# Allegro board meta_module_lay_rev1.brd (continued)
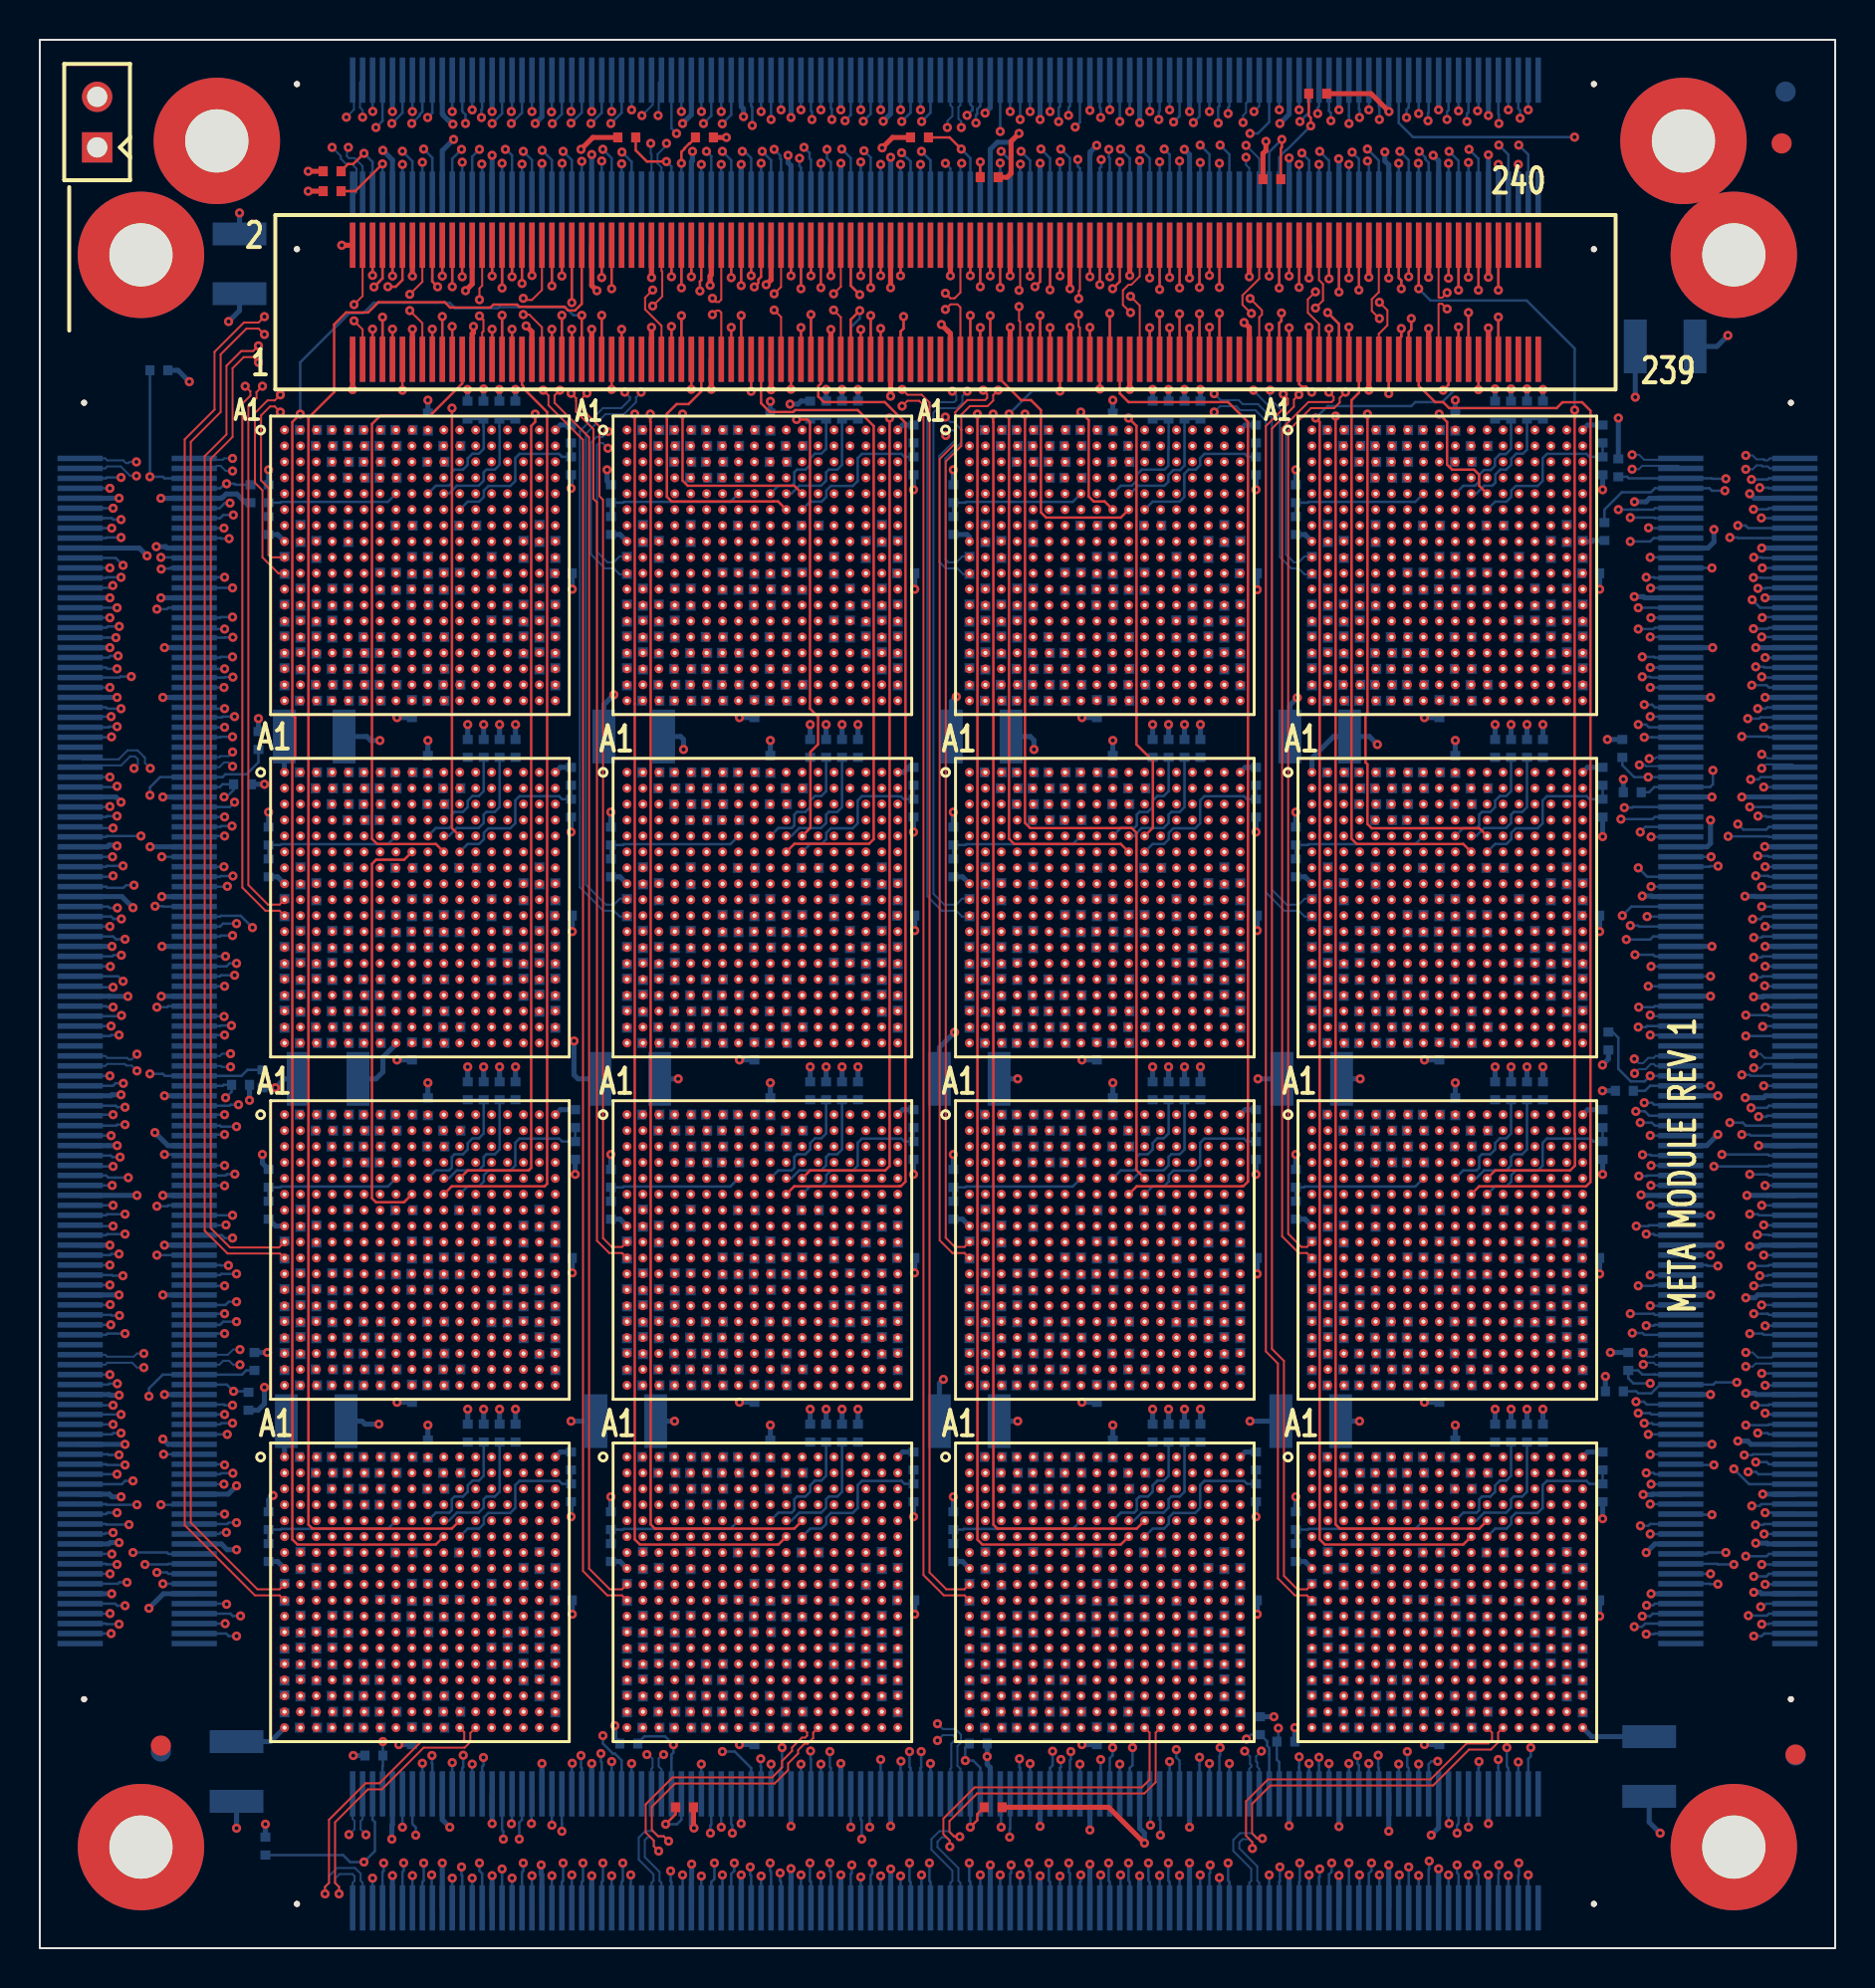
[diagram p0: board, top side]
## Routing (per net, layer and track width the routed paths; a pad name or vN(x,y) marks a point on that pad's centre or on a via; arc(x,y) is an arc through that point) (continued)
NS_DATA_N11_SNOW4-4: length 10.9
  SIGNAL_L5 w0.083: U13.R6 68.29,30.28 68.29,29.69 68.49,29.49 68.89,29.49 69.09,29.29 69.09,28.89 69.29,28.69 72.8,28.69 73.09,28.4 73.09,27.87 73.52,27.44 73.52,26.44 74.29,25.67 U14.A14
NS_DATA_N12: length 10
  SIGNAL_L5 w0.083: U2.V5 32.69,45.11 34.51,43.29 36.07,43.29 37.09,42.27 37.09,41.69 37.29,41.49 37.69,41.49 37.89,41.29 37.89,40.88 38.09,40.68 38.49,40.68 38.69,40.48 38.7,40.48 38.7,39.87 U9.D13
NS_DATA_N12_SNOW4-1: length 9.8
  SIGNAL_L5 w0.083: U1.V5 34.88,60.49 36.07,60.49 37.09,59.47 37.09,58.89 37.29,58.69 37.69,58.69 37.89,58.49 37.89,58.08 38.09,57.88 38.49,57.88 38.69,57.68 38.7,57.68 38.7,57.07 U2.D13
NS_DATA_N12_SNOW4-2: length 10
  SIGNAL_L5 w0.083: U6.D13 73.1,57.07 73.1,57.68 73.09,57.68 72.89,57.88 72.49,57.88 72.29,58.08 72.29,58.49 72.09,58.69 71.69,58.69 71.49,58.89 71.49,59.47 70.47,60.49 68.91,60.49 67.09,62.31 U5.V5
NS_DATA_N12_SNOW4-3: length 10
  SIGNAL_L5 w0.083: U9.V5 32.69,27.91 34.51,26.09 36.07,26.09 37.09,25.07 37.09,24.49 37.29,24.29 37.69,24.29 37.89,24.09 37.89,23.68 38.09,23.48 38.49,23.48 38.69,23.28 38.7,23.28 38.7,22.67 U10.D13
NS_DATA_N12_SNOW4-4: length 10.1
  SIGNAL_L5 w0.083: U13.V5 67.09,27.87 68.87,26.09 70.47,26.09 71.49,25.07 71.49,24.49 71.69,24.29 72.09,24.29 72.29,24.09 72.29,23.68 72.49,23.48 72.89,23.48 73.09,23.28 73.1,23.28 73.1,22.67 U14.D13
NS_DATA_N13: length 10.3
  SIGNAL_L5 w0.083: U2.U6 33.92,45.85 33.92,45.04 34.87,44.09 37.29,44.09 38.69,42.69 38.69,41.69 38.89,41.49 39.29,41.49 39.49,41.29 39.49,40.68 U9.C14
NS_DATA_N13_SNOW4-1: length 10.3
  SIGNAL_L5 w0.083: U1.U6 33.92,63.05 33.92,62.24 34.87,61.29 37.29,61.29 38.69,59.89 38.69,58.89 38.89,58.69 39.29,58.69 39.49,58.49 39.49,57.88 U2.C14
NS_DATA_N13_SNOW4-2: length 10.2
  SIGNAL_L5 w0.083: U6.C14 73.89,57.88 73.89,58.49 73.69,58.69 73.29,58.69 73.09,58.89 73.09,59.89 71.69,61.29 69.47,61.29 68.32,62.44 68.32,63.05 U5.U6
NS_DATA_N13_SNOW4-3: length 10.3
  SIGNAL_L5 w0.083: U10.C14 39.49,23.48 39.49,24.09 39.29,24.29 38.89,24.29 38.69,24.49 38.69,25.49 37.29,26.89 34.87,26.89 33.92,27.84 33.92,28.65 U9.U6
NS_DATA_N13_SNOW4-4: length 10.2
  SIGNAL_L5 w0.083: U13.U6 68.32,28.65 68.32,28.04 69.47,26.89 71.67,26.89 73.09,25.47 73.09,24.49 73.29,24.29 73.69,24.29 73.89,24.09 73.89,23.48 U14.C14
NS_DATA_N14: length 14.1
  SIGNAL_L9 w0.083: U9.B15 40.27,41.5 40.27,42.04 40.68,42.45 40.68,44.68 40.27,45.09 40.27,47.24 40.05,47.46 39.77,47.46 39.49,47.74 39.49,48.02 39.23,48.28 34.95,48.28 34.69,48.02 34.69,47.48 U2.T7
NS_DATA_N14_SNOW4-1: length 14.1
  SIGNAL_L9 w0.083: U1.T7 34.69,64.68 34.69,65.22 34.95,65.48 39.23,65.48 39.49,65.22 39.49,64.94 39.77,64.66 40.05,64.66 40.27,64.44 40.27,62.29 40.68,61.88 40.68,59.65 40.27,59.24 40.27,58.7 U2.B15
NS_DATA_N14_SNOW4-2: length 14.1
  SIGNAL_L9 w0.083: U5.T7 69.09,64.68 69.09,65.22 69.35,65.48 73.63,65.48 73.89,65.22 73.89,64.94 74.17,64.66 74.45,64.66 74.67,64.44 74.67,62.29 75.08,61.88 75.08,59.65 74.67,59.24 74.67,58.7 U6.B15
NS_DATA_N14_SNOW4-3: length 14.1
  SIGNAL_L9 w0.083: U10.B15 40.27,24.3 40.27,24.84 40.68,25.25 40.68,27.48 40.27,27.89 40.27,30.04 40.05,30.26 39.77,30.26 39.49,30.54 39.49,30.82 39.23,31.08 34.95,31.08 34.69,30.82 34.69,30.28 U9.T7
NS_DATA_N14_SNOW4-4: length 14.1
  SIGNAL_L9 w0.083: U13.T7 69.09,30.28 69.09,30.82 69.35,31.08 73.63,31.08 73.89,30.82 73.89,30.54 74.17,30.26 74.45,30.26 74.67,30.04 74.67,27.89 75.08,27.48 75.08,25.25 74.67,24.84 74.67,24.3 U14.B15
NS_DATA_N15: length 11.8
  SIGNAL_L5 w0.083: U9.A16 41.49,44.69 41.08,45.1 41.08,47.21 40.81,47.48 35.49,47.48 U2.R8
NS_DATA_N15_SNOW4-1: length 11.8
  SIGNAL_L5 w0.083: U1.R8 35.49,64.68 40.81,64.68 41.08,64.41 41.08,62.3 41.49,61.89 U2.A16
NS_DATA_N15_SNOW4-2: length 11.8
  SIGNAL_L5 w0.083: U6.A16 75.89,61.89 75.48,62.3 75.48,64.41 75.21,64.68 69.89,64.68 U5.R8
NS_DATA_N15_SNOW4-3: length 11.8
  SIGNAL_L5 w0.083: U10.A16 41.49,27.49 41.08,27.9 41.08,30.01 40.81,30.28 35.49,30.28 U9.R8
NS_DATA_N15_SNOW4-4: length 11.8
  SIGNAL_L5 w0.083: U13.R8 69.89,30.28 75.21,30.28 75.48,30.01 75.48,27.9 75.89,27.49 U14.A16
NS_DATA_N16: length 10.3
  SIGNAL_L5 w0.083: U8.V3 48.29,45.11 50.91,42.49 52.29,42.49 52.69,42.09 52.69,40.09 52.93,39.85 54.32,39.85 U15.D11
NS_DATA_N17: length 12.6
  SIGNAL_L9 w0.083: U8.U4 49.49,45.88 49.49,45.09 51.89,42.69 51.89,39.34 52.13,39.1 54.68,39.1 54.69,39.09 54.89,39.09 55.09,39.29 55.09,39.84 55.49,40.24 U15.C12
NS_DATA_N18: length 17.2
  SIGNAL_L6 w0.083: U15.B13 55.89,41.48 55.89,42.89 55.09,43.69 55.09,47.22 55.33,47.46 55.66,47.46 55.89,47.69 55.89,48.82 55.62,49.09 52.96,49.09 52.69,48.82 52.69,46.89 52.49,46.69 50.28,46.69 U8.T5
NS_DATA_N19: length 10.9
  SIGNAL_L5 w0.083: U15.A14 57.09,42.87 56.32,43.64 56.32,44.64 55.89,45.07 55.89,45.6 55.6,45.89 52.09,45.89 51.89,46.09 51.89,46.49 51.69,46.69 51.29,46.69 51.09,46.89 51.09,47.48 U8.R6
NS_DATA_N20: length 10
  SIGNAL_L5 w0.083: U8.V5 49.89,45.11 51.71,43.29 53.27,43.29 54.29,42.27 54.29,41.69 54.49,41.49 54.89,41.49 55.09,41.29 55.09,40.88 55.29,40.68 55.69,40.68 55.89,40.48 55.9,40.48 55.9,39.87 U15.D13
NS_DATA_N21: length 10.2
  SIGNAL_L5 w0.083: U8.U6 51.12,45.85 51.12,45.33 51.68,44.77 51.68,44.68 52.27,44.09 54.49,44.09 55.89,42.69 55.89,41.69 56.09,41.49 56.49,41.49 56.69,41.29 56.69,40.68 U15.C14
NS_DATA_N22: length 14.1
  SIGNAL_L9 w0.083: U8.T7 51.89,47.48 51.89,48.02 52.15,48.28 56.43,48.28 56.69,48.02 56.69,47.74 56.97,47.46 57.25,47.46 57.47,47.24 57.47,45.09 57.88,44.68 57.88,42.45 57.47,42.04 57.47,41.5 U15.B15
NS_DATA_N23: length 11.8
  SIGNAL_L5 w0.083: U15.A16 58.69,44.69 58.28,45.1 58.28,47.21 58.01,47.48 52.69,47.48 U8.R8
NS_DATA_N24: length 10.3
  SIGNAL_L5 w0.083: U13.D11 71.52,39.85 70.13,39.85 69.89,40.09 69.89,42.09 69.3,42.68 67.92,42.68 65.49,45.11 U6.V3
NS_DATA_N25: length 12.6
  SIGNAL_L9 w0.083: U6.U4 66.69,45.88 66.69,45.09 69.09,42.69 69.09,39.34 69.34,39.09 72.09,39.09 72.29,39.29 72.29,39.84 72.69,40.24 U13.C12
NS_DATA_N26: length 17.2
  SIGNAL_L6 w0.083: U6.T5 67.48,46.69 69.69,46.69 69.89,46.89 69.89,48.82 70.16,49.09 72.82,49.09 73.09,48.82 73.09,47.69 72.86,47.46 72.53,47.46 72.29,47.22 72.29,43.69 73.09,42.89 73.09,41.48 U13.B13
NS_DATA_N27: length 10.9
  SIGNAL_L5 w0.083: U13.A14 74.29,42.87 73.52,43.64 73.52,44.64 73.09,45.07 73.09,45.6 72.8,45.89 69.29,45.89 69.09,46.09 69.09,46.49 68.89,46.69 68.49,46.69 68.29,46.89 68.29,47.48 U6.R6
NS_DATA_N28: length 10
  SIGNAL_L5 w0.083: U6.V5 67.09,45.11 68.72,43.48 70.28,43.48 71.49,42.27 71.49,41.69 71.69,41.49 72.09,41.49 72.29,41.29 72.29,40.88 72.49,40.68 72.89,40.68 73.09,40.48 73.1,40.48 73.1,39.87 U13.D13
NS_DATA_N29: length 10.3
  SIGNAL_L5 w0.083: U6.U6 68.32,45.85 68.32,45.04 69.27,44.09 71.69,44.09 73.09,42.69 73.09,41.69 73.29,41.49 73.69,41.49 73.89,41.29 73.89,40.68 U13.C14
NS_DATA_N30: length 14.1
  SIGNAL_L9 w0.083: U13.B15 74.67,41.5 74.67,42.04 75.08,42.45 75.08,44.68 74.67,45.09 74.67,47.24 74.45,47.46 74.17,47.46 73.89,47.74 73.89,48.02 73.63,48.28 69.35,48.28 69.09,48.02 69.09,47.48 U6.T7
NS_DATA_N31: length 11.8
  SIGNAL_L5 w0.083: U13.A16 75.89,44.69 75.48,45.1 75.48,47.21 75.21,47.48 69.89,47.48 U6.R8
NS_DATA_P0: length 12.2
  SIGNAL_L5 w0.083: U4.V2 13.46,45.85 14.04,45.85 14.29,45.6 14.29,45.08 16.48,42.89 18.49,42.89 19.09,42.29 19.09,40.89 19.29,40.69 20.4,40.69 20.69,40.4 20.69,39.88 U11.D12
NS_DATA_P0_SNOW4-1: length 12.1
  SIGNAL_L5 w0.083: U3.V2 13.46,63.05 14.04,63.05 14.29,62.8 14.29,62.47 16.67,60.09 18.49,60.09 19.09,59.49 19.09,58.09 19.29,57.89 20.4,57.89 20.69,57.6 20.69,57.08 U4.D12
NS_DATA_P0_SNOW4-2: length 12.1
  SIGNAL_L5 w0.083: U8.D12 55.09,57.08 55.09,57.6 54.8,57.89 53.69,57.89 53.49,58.09 53.49,59.49 52.89,60.09 51.14,60.09 48.69,62.54 48.69,62.8 48.44,63.05 47.86,63.05 U7.V2
NS_DATA_P0_SNOW4-3: length 12.1
  SIGNAL_L5 w0.083: U12.D12 20.69,22.68 20.69,23.2 20.4,23.49 19.29,23.49 19.09,23.69 19.09,25.09 18.49,25.69 16.74,25.69 14.29,28.14 14.29,28.4 14.04,28.65 13.46,28.65 U11.V2
NS_DATA_P0_SNOW4-4: length 12.2
  SIGNAL_L5 w0.083: U15.V2 47.86,28.65 48.44,28.65 48.69,28.4 48.69,27.88 50.88,25.69 52.89,25.69 53.49,25.09 53.49,23.69 53.69,23.49 54.8,23.49 55.09,23.2 55.09,22.68 U16.D12
NS_DATA_P1: length 15.3
  SIGNAL_L9 w0.083: U11.C13 21.49,39.88 21.49,39.29 21.29,39.09 20.96,39.09 20.71,38.84 20.71,38.51 20.49,38.29 17.69,38.29 17.49,38.49 17.49,38.89 17.28,39.1 16.93,39.1 16.67,39.36 16.67,42.31 14.29,44.69 14.29,45.88 U4.U3
NS_DATA_P1_SNOW4-1: length 15.3
  SIGNAL_L9 w0.083: U4.C13 21.49,57.08 21.49,56.49 21.29,56.29 20.96,56.29 20.71,56.04 20.71,55.71 20.49,55.49 17.69,55.49 17.49,55.69 17.49,56.09 17.28,56.3 16.93,56.3 16.77,56.46 16.75,56.46 16.67,56.55 16.67,59.51 14.29,61.89 14.29,63.08 U3.U3
NS_DATA_P1_SNOW4-2: length 15.4
  SIGNAL_L9 w0.083: U8.C13 55.89,57.08 55.89,56.49 55.69,56.29 55.36,56.29 55.11,56.04 55.11,55.71 54.89,55.49 52.09,55.49 51.89,55.69 51.89,56.09 51.68,56.3 51.22,56.3 51.07,56.45 51.07,60.19 48.95,62.31 48.94,62.31 48.72,62.53 48.72,62.54 48.69,62.57 48.69,63.08 U7.U3
NS_DATA_P1_SNOW4-3: length 15.3
  SIGNAL_L9 w0.083: U11.U3 14.29,28.68 14.29,27.49 16.67,25.11 16.67,22.16 16.93,21.9 17.28,21.9 17.49,21.69 17.49,21.29 17.69,21.09 20.49,21.09 20.71,21.31 20.71,21.64 20.96,21.89 21.29,21.89 21.49,22.09 21.49,22.68 U12.C13
NS_DATA_P1_SNOW4-4: length 15.4
  SIGNAL_L9 w0.083: U16.C13 55.89,22.68 55.89,22.09 55.69,21.89 55.36,21.89 55.11,21.64 55.11,21.31 54.89,21.09 52.09,21.09 51.89,21.29 51.89,21.69 51.68,21.9 51.22,21.9 51.07,22.05 51.07,25.11 48.69,27.49 48.69,28.68 U15.U3
NS_DATA_P2: length 19.6
  SIGNAL_L6 w0.083: U4.T4 15.1,47.49 17.24,47.49 17.47,47.72 17.47,49.6 17.73,49.86 21.32,49.86 21.49,49.69 21.49,49.26 21.69,49.06 22.05,49.06 22.29,48.82 22.29,46.89 22.09,46.69 21.76,46.69 21.49,46.42 21.49,45.09 21.1,44.7 21.1,43.86 22.31,42.65 22.31,41.46 U11.B14
NS_DATA_P2_SNOW4-1: length 19.6
  SIGNAL_L6 w0.083: U3.T4 15.1,64.69 17.24,64.69 17.47,64.92 17.47,66.8 17.73,67.06 21.32,67.06 21.49,66.89 21.49,66.46 21.69,66.26 22.05,66.26 22.29,66.02 22.29,64.09 22.09,63.89 21.76,63.89 21.49,63.62 21.49,62.29 21.1,61.9 21.1,61.06 22.31,59.85 22.31,58.66 U4.B14
NS_DATA_P2_SNOW4-2: length 19.6
  SIGNAL_L6 w0.083: U7.T4 49.5,64.69 51.64,64.69 51.87,64.92 51.87,66.8 52.13,67.06 55.72,67.06 55.89,66.89 55.89,66.46 56.09,66.26 56.45,66.26 56.69,66.02 56.69,64.09 56.49,63.89 56.16,63.89 55.89,63.62 55.89,62.29 55.5,61.9 55.5,61.06 56.71,59.85 56.71,58.66 U8.B14
NS_DATA_P2_SNOW4-3: length 19.6
  SIGNAL_L6 w0.083: U11.T4 15.1,30.29 17.24,30.29 17.47,30.52 17.47,32.4 17.73,32.66 21.32,32.66 21.49,32.49 21.49,32.06 21.69,31.86 22.05,31.86 22.29,31.62 22.29,29.69 22.09,29.49 21.76,29.49 21.49,29.22 21.49,27.89 21.1,27.5 21.1,26.66 22.31,25.45 22.31,24.26 U12.B14
NS_DATA_P2_SNOW4-4: length 19.6
  SIGNAL_L6 w0.083: U16.B14 56.71,24.26 56.71,25.45 55.5,26.66 55.5,27.5 55.89,27.89 55.89,29.22 56.16,29.49 56.49,29.49 56.69,29.69 56.69,31.62 56.45,31.86 56.09,31.86 55.89,32.06 55.89,32.49 55.72,32.66 52.13,32.66 51.87,32.4 51.87,30.52 51.64,30.29 49.5,30.29 U15.T4
NS_DATA_P3: length 13.3
  SIGNAL_L5 w0.083: U11.A15 23.49,42.87 22.67,43.69 22.67,44.69 22.29,45.07 22.29,46.49 22.09,46.69 17.69,46.69 17.49,46.89 17.49,47.29 17.29,47.49 16.95,47.49 16.69,47.75 16.69,48.09 16.49,48.29 15.9,48.29 U4.R5
NS_DATA_P3_SNOW4-1: length 13.3
  SIGNAL_L5 w0.083: U4.A15 23.49,60.07 22.67,60.89 22.67,61.89 22.29,62.27 22.29,63.69 22.09,63.89 17.69,63.89 17.49,64.09 17.49,64.49 17.29,64.69 16.95,64.69 16.69,64.95 16.69,65.29 16.49,65.49 15.9,65.49 U3.R5
NS_DATA_P3_SNOW4-2: length 13.3
  SIGNAL_L5 w0.083: U7.R5 50.3,65.49 50.89,65.49 51.09,65.29 51.09,64.95 51.35,64.69 51.69,64.69 51.89,64.49 51.89,64.09 52.09,63.89 56.49,63.89 56.69,63.69 56.69,62.27 57.07,61.89 57.07,60.89 57.89,60.07 U8.A15
NS_DATA_P3_SNOW4-3: length 13.3
  SIGNAL_L5 w0.083: U11.R5 15.9,31.09 16.49,31.09 16.69,30.89 16.69,30.55 16.95,30.29 17.29,30.29 17.49,30.09 17.49,29.69 17.69,29.49 22.09,29.49 22.29,29.29 22.29,27.87 22.67,27.49 22.67,26.49 23.49,25.67 U12.A15
NS_DATA_P3_SNOW4-4: length 13.3
  SIGNAL_L5 w0.083: U15.R5 50.3,31.09 50.89,31.09 51.09,30.89 51.09,30.55 51.35,30.29 51.69,30.29 51.89,30.09 51.89,29.69 52.09,29.49 56.49,29.49 56.69,29.29 56.69,27.87 57.07,27.49 57.07,26.49 57.89,25.67 U16.A15
NS_DATA_P4: length 12.3
  SIGNAL_L5 w0.083: U4.V4 15.09,45.88 15.61,45.88 15.89,45.6 15.89,45.34 17.37,43.86 19.9,43.86 20.69,43.07 20.69,41.69 20.89,41.49 21.29,41.49 21.49,41.29 21.49,40.96 21.74,40.71 21.98,40.71 22.27,40.42 22.27,39.9 U11.D14
NS_DATA_P4_SNOW4-1: length 12.3
  SIGNAL_L5 w0.083: U4.D14 22.27,57.1 22.27,57.62 21.98,57.91 21.74,57.91 21.49,58.16 21.49,58.49 21.29,58.69 20.89,58.69 20.69,58.89 20.69,60.27 19.83,61.13 17.23,61.13 15.89,62.47 15.89,62.8 15.61,63.08 15.09,63.08 U3.V4
NS_DATA_P4_SNOW4-2: length 12.3
  SIGNAL_L5 w0.083: U7.V4 49.49,63.08 50.01,63.08 50.29,62.8 50.29,62.56 51.8,61.06 54.3,61.06 55.09,60.27 55.09,58.89 55.29,58.69 55.69,58.69 55.89,58.49 55.89,58.16 56.14,57.91 56.38,57.91 56.67,57.62 56.67,57.1 U8.D14
NS_DATA_P4_SNOW4-3: length 12.3
  SIGNAL_L5 w0.083: U12.D14 22.27,22.7 22.27,23.22 21.98,23.51 21.74,23.51 21.49,23.76 21.49,24.09 21.29,24.29 20.89,24.29 20.69,24.49 20.69,25.87 19.9,26.66 17.37,26.66 15.89,28.14 15.89,28.4 15.61,28.68 15.09,28.68 U11.V4
NS_DATA_P4_SNOW4-4: length 12.3
  SIGNAL_L5 w0.083: U16.D14 56.67,22.7 56.67,23.22 56.38,23.51 56.14,23.51 55.89,23.76 55.89,24.09 55.69,24.29 55.29,24.29 55.09,24.49 55.09,25.67 54.1,26.66 51.5,26.66 50.29,27.87 50.29,28.4 50.01,28.68 49.49,28.68 U15.V4
NS_DATA_P5: length 12.2
  SIGNAL_L5 w0.083: U4.U5 15.89,46.68 16.5,46.68 16.72,46.46 16.72,46.13 16.96,45.89 17.29,45.89 17.49,45.69 17.49,45.29 17.69,45.09 19.89,45.09 22.29,42.69 22.29,41.69 22.49,41.49 22.92,41.49 23.12,41.29 23.12,40.65 U11.C15
NS_DATA_P5_SNOW4-1: length 12.2
  SIGNAL_L5 w0.083: U3.U5 15.89,63.88 16.5,63.88 16.72,63.66 16.72,63.33 16.96,63.09 17.29,63.09 17.49,62.89 17.49,62.49 17.69,62.29 18.29,62.29 18.89,61.69 20.49,61.69 22.29,59.89 22.29,58.89 22.49,58.69 22.92,58.69 23.12,58.49 23.12,57.85 U4.C15
NS_DATA_P5_SNOW4-2: length 12.2
  SIGNAL_L5 w0.083: U8.C15 57.52,57.85 57.52,58.49 57.32,58.69 56.89,58.69 56.69,58.89 56.69,59.89 54.29,62.29 52.09,62.29 51.89,62.49 51.89,62.89 51.69,63.09 51.36,63.09 51.12,63.33 51.12,63.66 50.9,63.88 50.29,63.88 U7.U5
NS_DATA_P5_SNOW4-3: length 12.2
  SIGNAL_L5 w0.083: U12.C15 23.12,23.45 23.12,24.09 22.92,24.29 22.49,24.29 22.29,24.49 22.29,25.49 19.89,27.89 17.69,27.89 17.49,28.09 17.49,28.49 17.29,28.69 16.96,28.69 16.72,28.93 16.72,29.26 16.5,29.48 15.89,29.48 U11.U5
NS_DATA_P5_SNOW4-4: length 11.9
  SIGNAL_L5 w0.083: U15.U5 50.29,29.48 50.9,29.48 51.12,29.26 51.12,28.93 51.36,28.69 51.69,28.69 51.89,28.49 51.89,28.14 52.14,27.89 53.87,27.89 56.69,25.07 56.69,24.49 56.89,24.29 57.32,24.29 57.52,24.09 57.52,23.45 U16.C15
NS_DATA_P6: length 17.3
  SIGNAL_L9 w0.083: U11.B16 24.69,41.48 24.69,44.03 23.89,44.83 23.89,48.02 23.63,48.28 23.29,48.28 23.09,48.48 23.09,48.82 22.83,49.08 16.95,49.08 16.69,48.82 16.69,47.48 U4.T6
NS_DATA_P6_SNOW4-1: length 17.3
  SIGNAL_L9 w0.083: U3.T6 16.69,64.68 16.69,66.02 16.95,66.28 22.83,66.28 23.09,66.02 23.09,65.68 23.29,65.48 23.63,65.48 23.89,65.22 23.89,62.03 24.69,61.23 24.69,58.68 U4.B16
NS_DATA_P6_SNOW4-2: length 17.3
  SIGNAL_L9 w0.083: U8.B16 59.09,58.68 59.09,61.23 58.29,62.03 58.29,65.22 58.03,65.48 57.69,65.48 57.49,65.68 57.49,66.02 57.23,66.28 51.35,66.28 51.09,66.02 51.09,64.68 U7.T6
NS_DATA_P6_SNOW4-3: length 17.3
  SIGNAL_L9 w0.083: U11.T6 16.69,30.28 16.69,31.62 16.95,31.88 22.83,31.88 23.09,31.62 23.09,31.28 23.29,31.08 23.63,31.08 23.89,30.82 23.89,27.63 24.69,26.83 24.69,24.28 U12.B16
NS_DATA_P6_SNOW4-4: length 17.3
  SIGNAL_L9 w0.083: U16.B16 59.09,24.28 59.09,26.83 58.29,27.63 58.29,30.82 58.03,31.08 57.69,31.08 57.49,31.28 57.49,31.62 57.23,31.88 51.35,31.88 51.09,31.62 51.09,30.28 U15.T6
NS_DATA_P7: length 13.8
  SIGNAL_L5 w0.083: U4.R7 17.49,48.28 23.61,48.28 23.88,48.01 23.88,47.76 24.2,47.45 24.44,47.45 24.68,47.21 24.68,45.1 25.09,44.69 U11.A17
NS_DATA_P7_SNOW4-1: length 13.8
  SIGNAL_L5 w0.083: U4.A17 25.09,61.89 24.68,62.3 24.68,64.41 24.44,64.65 24.2,64.65 23.88,64.96 23.88,65.21 23.61,65.48 17.49,65.48 U3.R7
NS_DATA_P7_SNOW4-2: length 13.8
  SIGNAL_L5 w0.083: U8.A17 59.49,61.89 59.08,62.3 59.08,64.41 58.84,64.65 58.6,64.65 58.28,64.96 58.28,65.21 58.01,65.48 51.89,65.48 U7.R7
NS_DATA_P7_SNOW4-3: length 13.8
  SIGNAL_L5 w0.083: U11.R7 17.49,31.08 23.61,31.08 23.88,30.81 23.88,30.56 24.2,30.25 24.44,30.25 24.68,30.01 24.68,27.9 25.09,27.49 U12.A17
NS_DATA_P7_SNOW4-4: length 13.8
  SIGNAL_L5 w0.083: U15.R7 51.89,31.08 58.01,31.08 58.28,30.81 58.28,30.56 58.6,30.25 58.84,30.25 59.08,30.01 59.08,27.9 59.49,27.49 U16.A17
NS_DATA_P8: length 12.2
  SIGNAL_L5 w0.083: U2.V2 30.66,45.85 31.24,45.85 31.49,45.6 31.49,45.08 33.68,42.89 35.69,42.89 36.29,42.29 36.29,40.89 36.49,40.69 37.6,40.69 37.89,40.4 37.89,39.88 U9.D12
NS_DATA_P8_SNOW4-1: length 12.2
  SIGNAL_L5 w0.083: U1.V2 30.66,63.05 31.24,63.05 31.49,62.8 31.49,62.38 33.78,60.09 35.69,60.09 36.29,59.49 36.29,58.09 36.49,57.89 37.6,57.89 37.89,57.6 37.89,57.08 U2.D12
NS_DATA_P8_SNOW4-2: length 12.1
  SIGNAL_L5 w0.083: U6.D12 72.29,57.08 72.29,57.6 72,57.89 70.89,57.89 70.69,58.09 70.69,59.49 70.09,60.09 68.27,60.09 65.89,62.47 65.89,62.8 65.64,63.05 65.06,63.05 U5.V2
NS_DATA_P8_SNOW4-3: length 12.2
  SIGNAL_L5 w0.083: U9.V2 30.66,28.65 31.24,28.65 31.49,28.4 31.49,27.88 33.68,25.69 35.69,25.69 36.29,25.09 36.29,23.69 36.49,23.49 37.6,23.49 37.89,23.2 37.89,22.68 U10.D12
NS_DATA_P8_SNOW4-4: length 12.1
  SIGNAL_L5 w0.083: U13.V2 65.06,28.65 65.64,28.65 65.89,28.4 65.89,28.07 68.27,25.69 70.07,25.69 70.69,25.07 70.69,23.69 70.89,23.49 72,23.49 72.29,23.2 72.29,22.68 U14.D12
NS_DATA_P9: length 15.4
  SIGNAL_L9 w0.083: U9.C13 38.69,39.88 38.69,39.29 38.49,39.09 38.16,39.09 37.91,38.84 37.91,38.51 37.69,38.29 34.89,38.29 34.69,38.49 34.69,38.89 34.48,39.1 34.02,39.1 33.87,39.25 33.87,42.94 31.49,45.32 31.49,45.88 U2.U3
NS_DATA_P9_SNOW4-1: length 15.4
  SIGNAL_L9 w0.083: U1.U3 31.49,63.08 31.49,62.37 33.87,59.99 33.87,56.45 34.02,56.3 34.48,56.3 34.69,56.09 34.69,55.69 34.89,55.49 37.69,55.49 37.91,55.71 37.91,56.04 38.16,56.29 38.49,56.29 38.69,56.49 38.69,57.08 U2.C13
NS_DATA_P9_SNOW4-2: length 15.4
  SIGNAL_L9 w0.083: U6.C13 73.09,57.08 73.09,56.49 72.89,56.29 72.56,56.29 72.31,56.04 72.31,55.71 72.09,55.49 69.29,55.49 69.09,55.69 69.09,56.09 68.88,56.3 68.42,56.3 68.27,56.45 68.27,60.14 65.89,62.52 65.89,63.08 U5.U3
NS_DATA_P9_SNOW4-3: length 15.4
  SIGNAL_L9 w0.083: U9.U3 31.49,28.68 31.49,27.49 33.87,25.11 33.87,22.05 34.02,21.9 34.48,21.9 34.69,21.69 34.69,21.29 34.89,21.09 37.69,21.09 37.91,21.31 37.91,21.64 38.16,21.89 38.49,21.89 38.69,22.09 38.69,22.68 U10.C13
NS_DATA_P9_SNOW4-4: length 15.4
  SIGNAL_L9 w0.083: U14.C13 73.09,22.68 73.09,22.09 72.89,21.89 72.56,21.89 72.31,21.64 72.31,21.31 72.09,21.09 69.29,21.09 69.09,21.29 69.09,21.69 68.88,21.9 68.42,21.9 68.27,22.05 68.27,25.11 65.89,27.49 65.89,28.68 U13.U3
NS_DATA_P10: length 19.6
  SIGNAL_L6 w0.083: U9.B14 39.51,41.46 39.51,42.65 38.3,43.86 38.3,44.7 38.69,45.09 38.69,46.42 38.96,46.69 39.29,46.69 39.49,46.89 39.49,48.82 39.25,49.06 38.89,49.06 38.69,49.26 38.69,49.69 38.52,49.86 34.93,49.86 34.67,49.6 34.67,47.72 34.44,47.49 32.3,47.49 U2.T4
NS_DATA_P10_SNOW4-1: length 19.6
  SIGNAL_L6 w0.083: U2.B14 39.51,58.66 39.51,59.85 38.3,61.06 38.3,61.9 38.69,62.29 38.69,63.62 38.96,63.89 39.29,63.89 39.49,64.09 39.49,66.02 39.25,66.26 38.89,66.26 38.69,66.46 38.69,66.89 38.52,67.06 34.93,67.06 34.67,66.8 34.67,64.92 34.44,64.69 32.3,64.69 U1.T4
NS_DATA_P10_SNOW4-2: length 19.6
  SIGNAL_L6 w0.083: U5.T4 66.7,64.69 68.84,64.69 69.07,64.92 69.07,66.8 69.33,67.06 72.92,67.06 73.09,66.89 73.09,66.46 73.29,66.26 73.65,66.26 73.89,66.02 73.89,64.09 73.69,63.89 73.36,63.89 73.09,63.62 73.09,62.29 72.7,61.9 72.7,61.06 73.91,59.85 73.91,58.66 U6.B14
NS_DATA_P10_SNOW4-3: length 19.6
  SIGNAL_L6 w0.083: U10.B14 39.51,24.26 39.51,25.45 38.3,26.66 38.3,27.5 38.69,27.89 38.69,29.22 38.96,29.49 39.29,29.49 39.49,29.69 39.49,31.62 39.25,31.86 38.89,31.86 38.69,32.06 38.69,32.49 38.52,32.66 34.93,32.66 34.67,32.4 34.67,30.52 34.44,30.29 32.3,30.29 U9.T4
NS_DATA_P10_SNOW4-4: length 19.6
  SIGNAL_L6 w0.083: U13.T4 66.7,30.29 68.84,30.29 69.07,30.52 69.07,32.4 69.33,32.66 72.92,32.66 73.09,32.49 73.09,32.06 73.29,31.86 73.65,31.86 73.89,31.62 73.89,29.69 73.69,29.49 73.36,29.49 73.09,29.22 73.09,27.89 72.7,27.5 72.7,26.66 73.91,25.45 73.91,24.26 U14.B14
NS_DATA_P11: length 13.3
  SIGNAL_L5 w0.083: U2.R5 33.1,48.29 33.69,48.29 33.89,48.09 33.89,47.75 34.15,47.49 34.49,47.49 34.69,47.29 34.69,46.89 34.89,46.69 39.29,46.69 39.49,46.49 39.49,45.07 39.87,44.69 39.87,43.69 40.69,42.87 U9.A15
NS_DATA_P11_SNOW4-1: length 13.3
  SIGNAL_L5 w0.083: U2.A15 40.69,60.07 39.87,60.89 39.87,61.89 39.49,62.27 39.49,63.69 39.29,63.89 34.89,63.89 34.69,64.09 34.69,64.49 34.49,64.69 34.15,64.69 33.89,64.95 33.89,65.29 33.69,65.49 33.1,65.49 U1.R5
NS_DATA_P11_SNOW4-2: length 13.3
  SIGNAL_L5 w0.083: U5.R5 67.5,65.49 68.09,65.49 68.29,65.29 68.29,64.95 68.55,64.69 68.89,64.69 69.09,64.49 69.09,64.09 69.29,63.89 73.69,63.89 73.89,63.69 73.89,62.27 74.27,61.89 74.27,60.89 75.09,60.07 U6.A15
NS_DATA_P11_SNOW4-3: length 13.3
  SIGNAL_L5 w0.083: U9.R5 33.1,31.09 33.69,31.09 33.89,30.89 33.89,30.55 34.15,30.29 34.49,30.29 34.69,30.09 34.69,29.69 34.89,29.49 39.29,29.49 39.49,29.29 39.49,27.87 39.87,27.49 39.87,26.49 40.69,25.67 U10.A15
NS_DATA_P11_SNOW4-4: length 13.3
  SIGNAL_L5 w0.083: U14.A15 75.09,25.67 74.27,26.49 74.27,27.49 73.89,27.87 73.89,29.29 73.69,29.49 69.29,29.49 69.09,29.69 69.09,30.09 68.89,30.29 68.55,30.29 68.29,30.55 68.29,30.89 68.09,31.09 67.5,31.09 U13.R5
NS_DATA_P12: length 12.3
  SIGNAL_L5 w0.083: U9.D14 39.47,39.9 39.47,40.42 39.18,40.71 38.94,40.71 38.69,40.96 38.69,41.29 38.49,41.49 38.09,41.49 37.89,41.69 37.89,43.07 37.1,43.86 34.5,43.86 33.09,45.27 33.09,45.6 32.81,45.88 32.29,45.88 U2.V4
NS_DATA_P12_SNOW4-1: length 12.3
  SIGNAL_L5 w0.083: U2.D14 39.47,57.1 39.47,57.62 39.18,57.91 38.94,57.91 38.69,58.16 38.69,58.49 38.49,58.69 38.09,58.69 37.89,58.89 37.89,60.27 37.1,61.06 34.57,61.06 33.09,62.54 33.09,62.8 32.81,63.08 32.29,63.08 U1.V4
NS_DATA_P12_SNOW4-2: length 12.3
  SIGNAL_L5 w0.083: U5.V4 66.69,63.08 67.21,63.08 67.49,62.8 67.49,62.47 68.9,61.06 71.5,61.06 72.29,60.27 72.29,58.89 72.49,58.69 72.89,58.69 73.09,58.49 73.09,58.16 73.34,57.91 73.58,57.91 73.87,57.62 73.87,57.1 U6.D14
NS_DATA_P12_SNOW4-3: length 12.3
  SIGNAL_L5 w0.083: U9.V4 32.29,28.68 32.81,28.68 33.09,28.4 33.09,28.07 34.5,26.66 37.1,26.66 37.89,25.87 37.89,24.49 38.09,24.29 38.49,24.29 38.69,24.09 38.69,23.76 38.94,23.51 39.18,23.51 39.47,23.22 39.47,22.7 U10.D14
NS_DATA_P12_SNOW4-4: length 12.3
  SIGNAL_L5 w0.083: U13.V4 66.69,28.68 67.21,28.68 67.49,28.4 67.49,27.87 68.7,26.66 71.3,26.66 72.29,25.67 72.29,24.49 72.49,24.29 72.89,24.29 73.09,24.09 73.09,23.76 73.34,23.51 73.58,23.51 73.87,23.22 73.87,22.7 U14.D14
NS_DATA_P13: length 12.2
  SIGNAL_L5 w0.083: U2.U5 33.09,46.68 33.7,46.68 33.92,46.46 33.92,46.13 34.16,45.89 34.49,45.89 34.69,45.69 34.69,45.29 34.89,45.09 37.09,45.09 39.49,42.69 39.49,41.69 39.69,41.49 40.12,41.49 40.32,41.29 40.32,40.65 U9.C15
NS_DATA_P13_SNOW4-1: length 12.2
  SIGNAL_L5 w0.083: U1.U5 33.09,63.88 33.7,63.88 33.92,63.66 33.92,63.33 34.16,63.09 34.49,63.09 34.69,62.89 34.69,62.49 34.89,62.29 37.09,62.29 39.49,59.89 39.49,58.89 39.69,58.69 40.12,58.69 40.32,58.49 40.32,57.85 U2.C15
NS_DATA_P13_SNOW4-2: length 12.2
  SIGNAL_L5 w0.083: U6.C15 74.72,57.85 74.72,58.49 74.52,58.69 74.09,58.69 73.89,58.89 73.89,59.87 71.47,62.29 69.29,62.29 69.09,62.49 69.09,62.89 68.89,63.09 68.56,63.09 68.32,63.33 68.32,63.66 68.1,63.88 67.49,63.88 U5.U5
NS_DATA_P13_SNOW4-3: length 12.2
  SIGNAL_L5 w0.083: U10.C15 40.32,23.45 40.32,24.09 40.12,24.29 39.69,24.29 39.49,24.49 39.49,25.49 37.09,27.89 34.89,27.89 34.69,28.09 34.69,28.49 34.49,28.69 34.16,28.69 33.92,28.93 33.92,29.26 33.7,29.48 33.09,29.48 U9.U5
NS_DATA_P13_SNOW4-4: length 12.1
  SIGNAL_L5 w0.083: U14.C15 74.72,23.45 74.72,24.09 74.52,24.29 74.09,24.29 73.89,24.49 73.89,25.27 71.27,27.89 69.29,27.89 69.09,28.09 69.09,28.49 68.89,28.69 68.56,28.69 68.32,28.93 68.32,29.26 68.1,29.48 67.49,29.48 U13.U5
NS_DATA_P14: length 17.3
  SIGNAL_L9 w0.083: U9.B16 41.89,41.48 41.89,44.03 41.09,44.83 41.09,48.02 40.83,48.28 40.49,48.28 40.29,48.48 40.29,48.82 40.03,49.08 34.15,49.08 33.89,48.82 33.89,47.48 U2.T6
NS_DATA_P14_SNOW4-1: length 17.3
  SIGNAL_L9 w0.083: U1.T6 33.89,64.68 33.89,66.02 34.15,66.28 40.03,66.28 40.29,66.02 40.29,65.68 40.49,65.48 40.83,65.48 41.09,65.22 41.09,62.27 41.89,61.47 41.89,58.68 U2.B16
NS_DATA_P14_SNOW4-2: length 17.3
  SIGNAL_L9 w0.083: U6.B16 76.29,58.68 76.29,61.23 75.49,62.03 75.49,65.22 75.23,65.48 74.89,65.48 74.69,65.68 74.69,66.02 74.43,66.28 68.55,66.28 68.29,66.02 68.29,64.68 U5.T6
NS_DATA_P14_SNOW4-3: length 17.3
  SIGNAL_L9 w0.083: U10.B16 41.89,24.28 41.89,26.83 41.09,27.63 41.09,30.82 40.83,31.08 40.49,31.08 40.29,31.28 40.29,31.62 40.03,31.88 34.15,31.88 33.89,31.62 33.89,30.28 U9.T6
